# KiCad board 9W_SYSKA.kicad_pcb
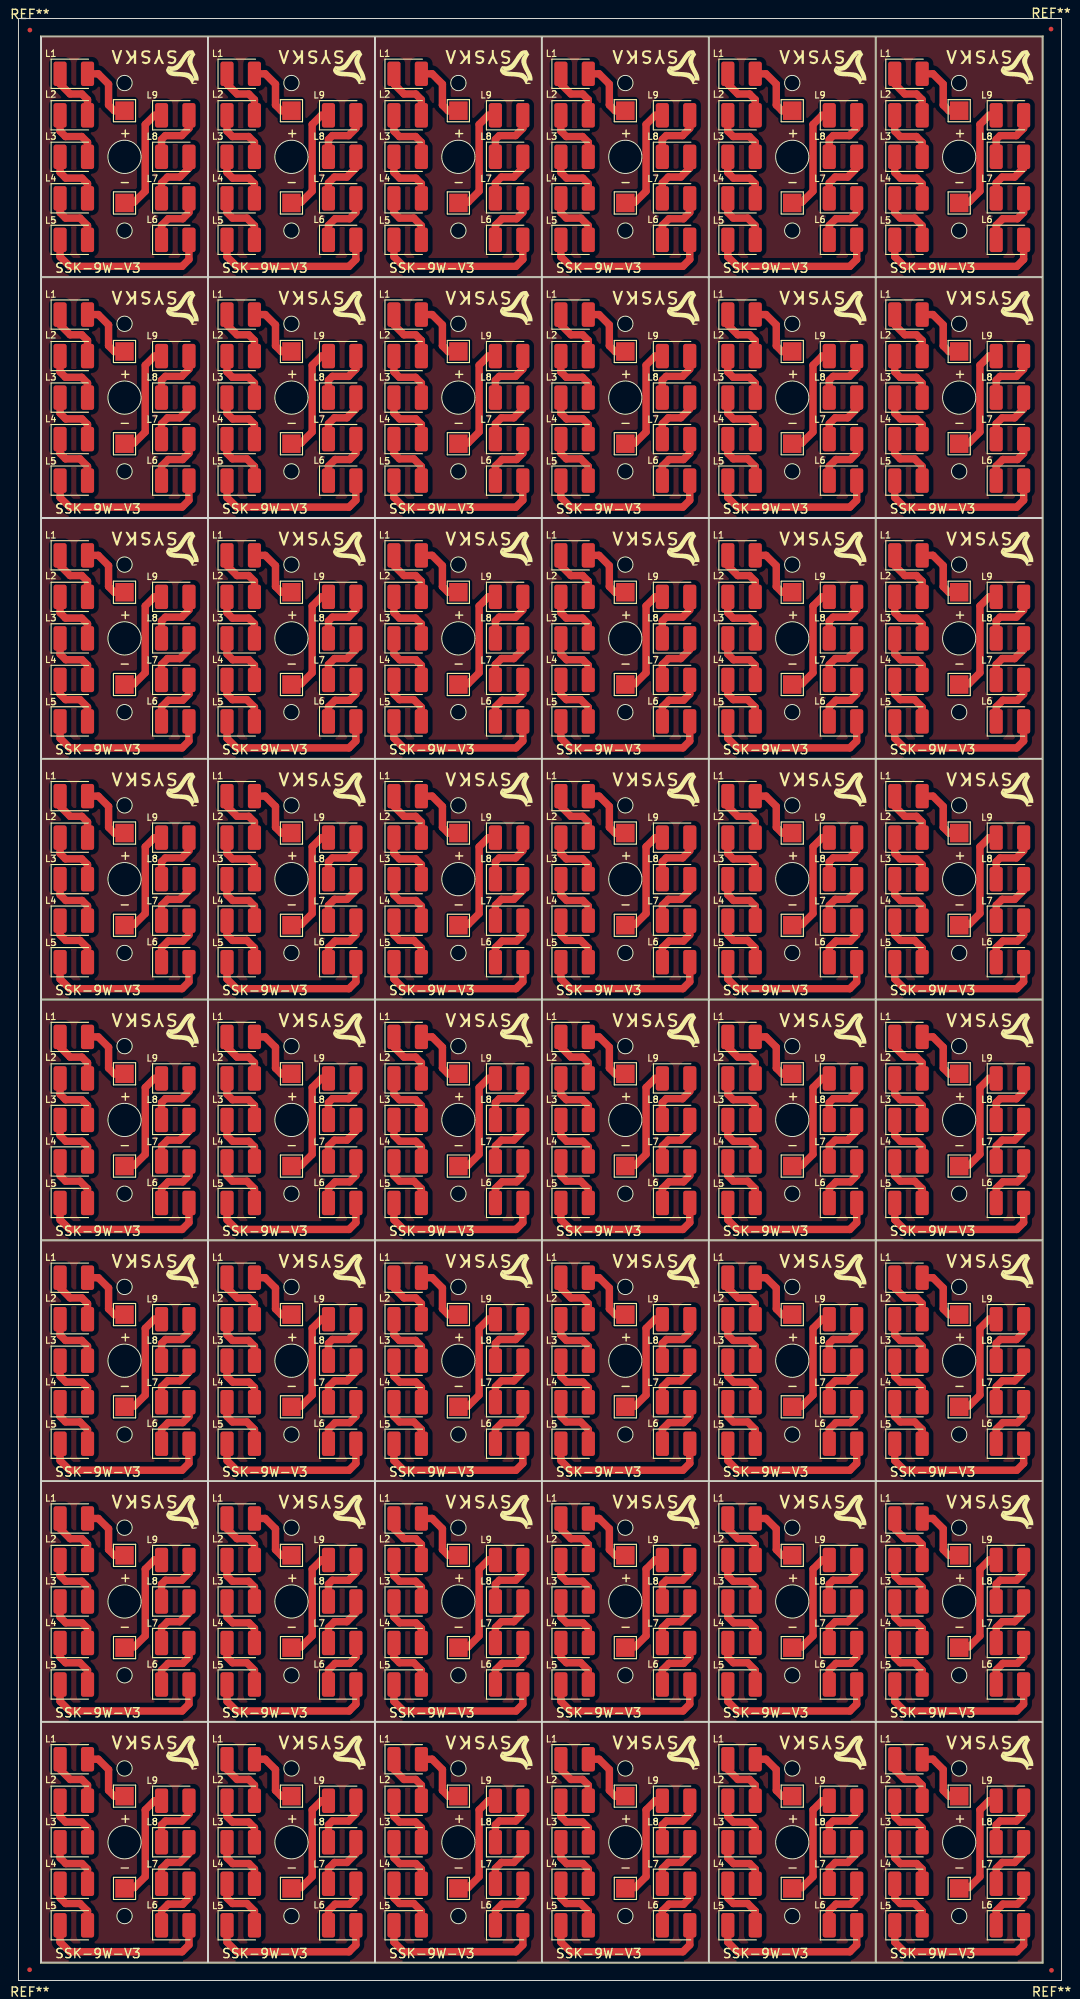
[diagram p0: board, top side]
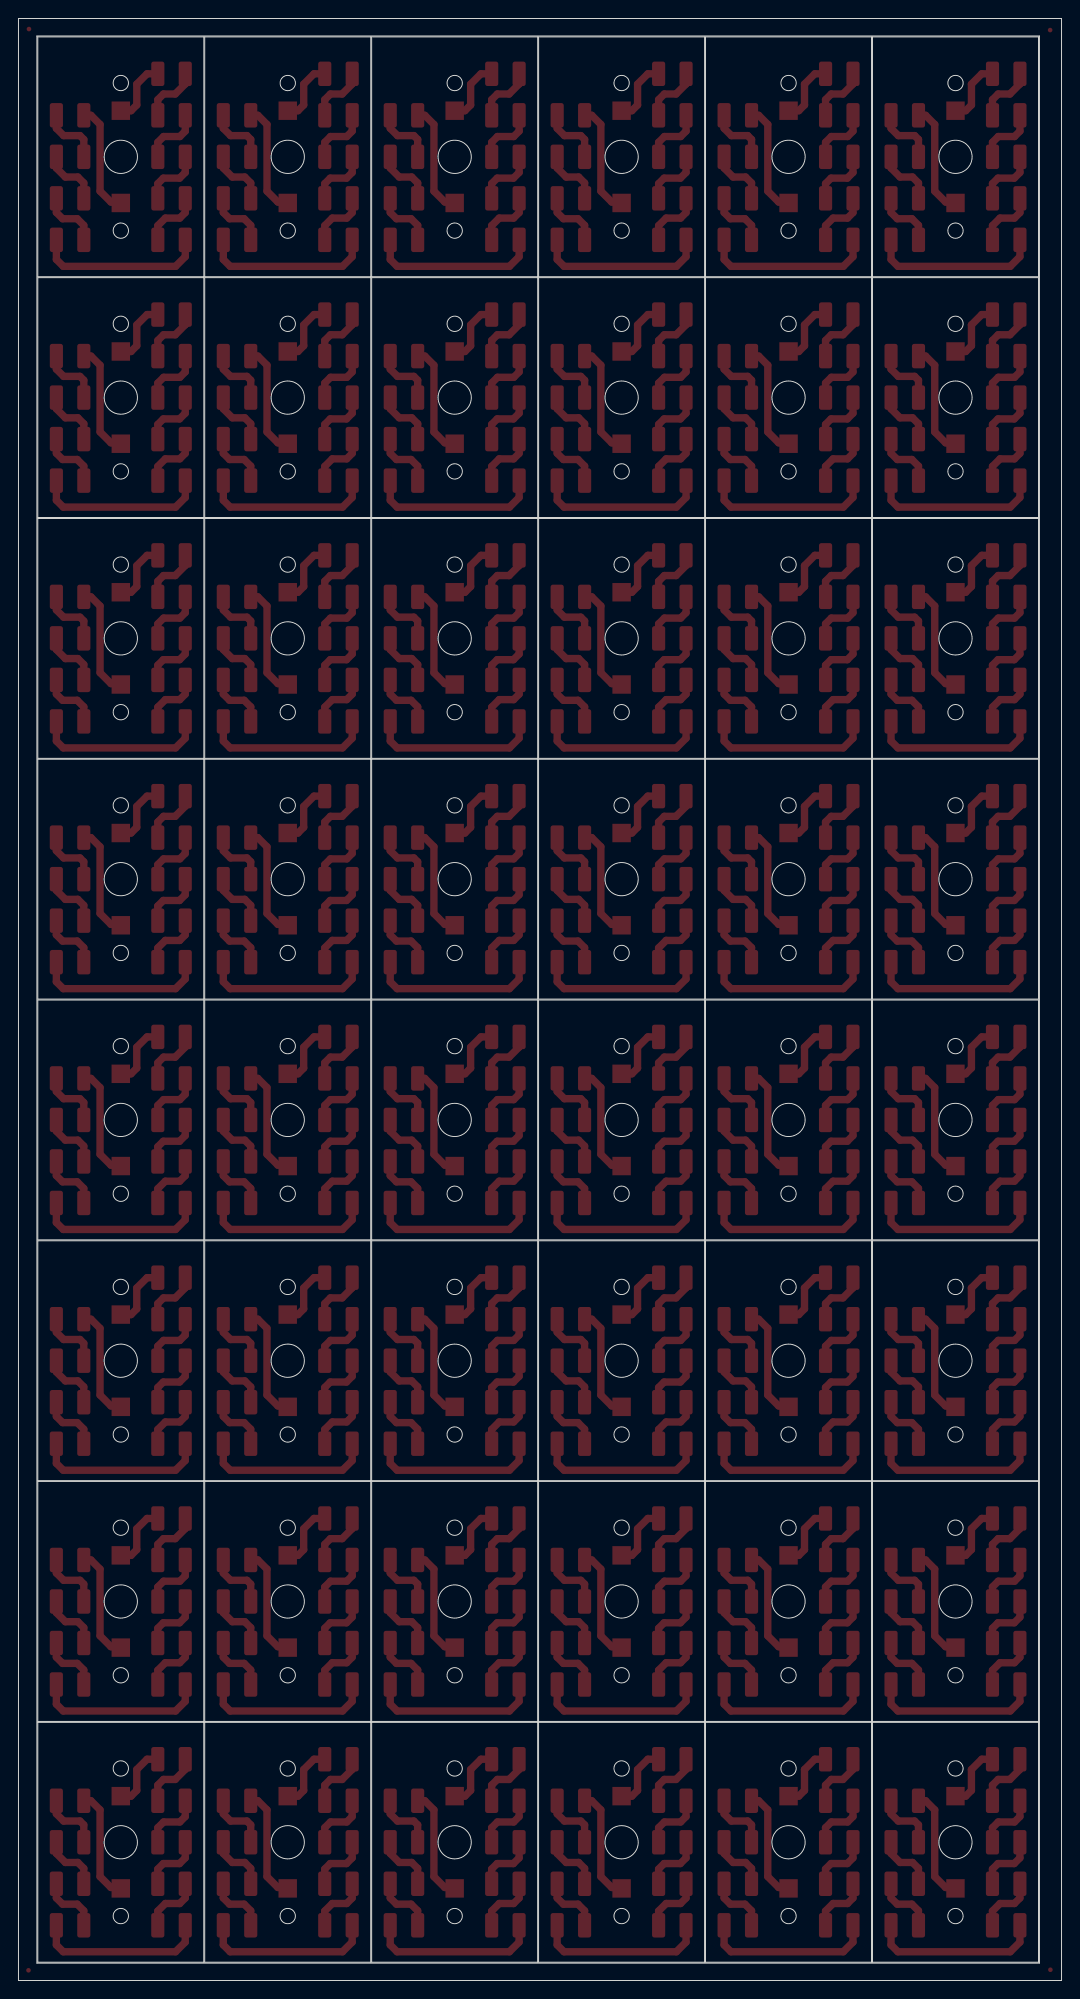
[diagram p1: board, bottom side, seen from below]

Outline 113.1 x 212.69 mm; copper layers: Top, Bottom. Coordinates in mm from the lower left corner of the outline.
Outline path: circle c11.5,205.69 r0.83 ; circle c11.5,197.69 r1.8 ; circle c11.5,189.69 r0.83 ; circle c11.5,179.59 r0.83 ; circle c11.5,171.59 r1.8 ; circle c11.5,163.59 r0.83 ; circle c11.5,153.49 r0.83 ; circle c11.5,145.49 r1.8 ; circle c11.5,137.49 r0.83 ; circle c11.5,127.39 r0.83 ; circle c11.5,119.39 r1.8 ; circle c11.5,111.39 r0.83 ; circle c11.5,101.29 r0.83 ; circle c11.5,93.29 r1.8 ; circle c11.5,85.29 r0.83 ; circle c11.5,75.19 r0.83 ; circle c11.5,67.19 r1.8 ; circle c11.5,59.19 r0.83 ; circle c11.5,49.09 r0.83 ; circle c11.5,41.09 r1.8 ; circle c11.5,33.09 r0.83 ; circle c11.5,22.99 r0.83 ; circle c11.5,14.99 r1.8 ; circle c11.5,6.99 r0.83 ; circle c29.6,205.69 r0.83 ; circle c29.6,197.69 r1.8 ; circle c29.6,189.69 r0.83 ; circle c29.6,179.59 r0.83 ; circle c29.6,171.59 r1.8 ; circle c29.6,163.59 r0.83 ; circle c29.6,153.49 r0.83 ; circle c29.6,145.49 r1.8 ; circle c29.6,137.49 r0.83 ; circle c29.6,127.39 r0.83 ; circle c29.6,119.39 r1.8 ; circle c29.6,111.39 r0.83 ; circle c29.6,101.29 r0.83 ; circle c29.6,93.29 r1.8 ; circle c29.6,85.29 r0.83 ; circle c29.6,75.19 r0.83 ; circle c29.6,67.19 r1.8 ; circle c29.6,59.19 r0.83 ; circle c29.6,49.09 r0.83 ; circle c29.6,41.09 r1.8 ; circle c29.6,33.09 r0.83 ; circle c29.6,22.99 r0.83 ; circle c29.6,14.99 r1.8 ; circle c29.6,6.99 r0.83 ; circle c47.7,205.69 r0.83 ; circle c47.7,197.69 r1.8 ; circle c47.7,189.69 r0.83 ; circle c47.7,179.59 r0.83 ; circle c47.7,171.59 r1.8 ; circle c47.7,163.59 r0.83 ; circle c47.7,153.49 r0.83 ; circle c47.7,145.49 r1.8 ; circle c47.7,137.49 r0.83 ; circle c47.7,127.39 r0.83 ; circle c47.7,119.39 r1.8 ; circle c47.7,111.39 r0.83 ; circle c47.7,101.29 r0.83 ; circle c47.7,93.29 r1.8 ; circle c47.7,85.29 r0.83 ; circle c47.7,75.19 r0.83 ; circle c47.7,67.19 r1.8 ; circle c47.7,59.19 r0.83 ; circle c47.7,49.09 r0.83 ; circle c47.7,41.09 r1.8 ; circle c47.7,33.09 r0.83 ; circle c47.7,22.99 r0.83 ; circle c47.7,14.99 r1.8 ; circle c47.7,6.99 r0.83 ; circle c65.8,205.69 r0.83 ; circle c65.8,197.69 r1.8 ; circle c65.8,189.69 r0.83 ; circle c65.8,179.59 r0.83 ; circle c65.8,171.59 r1.8 ; circle c65.8,163.59 r0.83 ; circle c65.8,153.49 r0.83 ; circle c65.8,145.49 r1.8 ; circle c65.8,137.49 r0.83 ; circle c65.8,127.39 r0.83 ; circle c65.8,119.39 r1.8 ; circle c65.8,111.39 r0.83 ; circle c65.8,101.29 r0.83 ; circle c65.8,93.29 r1.8 ; circle c65.8,85.29 r0.83 ; circle c65.8,75.19 r0.83 ; circle c65.8,67.19 r1.8 ; circle c65.8,59.19 r0.83 ; circle c65.8,49.09 r0.83 ; circle c65.8,41.09 r1.8 ; circle c65.8,33.09 r0.83 ; circle c65.8,22.99 r0.83 ; circle c65.8,14.99 r1.8 ; circle c65.8,6.99 r0.83 ; circle c83.9,205.69 r0.83 ; circle c83.9,197.69 r1.8 ; circle c83.9,189.69 r0.83 ; circle c83.9,179.59 r0.83 ; circle c83.9,171.59 r1.8 ; circle c83.9,163.59 r0.83 ; circle c83.9,153.49 r0.83 ; circle c83.9,145.49 r1.8 ; circle c83.9,137.49 r0.83 ; circle c83.9,127.39 r0.83 ; circle c83.9,119.39 r1.8 ; circle c83.9,111.39 r0.83 ; circle c83.9,101.29 r0.83 ; circle c83.9,93.29 r1.8 ; circle c83.9,85.29 r0.83 ; circle c83.9,75.19 r0.83 ; circle c83.9,67.19 r1.8 ; circle c83.9,59.19 r0.83 ; circle c83.9,49.09 r0.83 ; circle c83.9,41.09 r1.8 ; circle c83.9,33.09 r0.83 ; circle c83.9,22.99 r0.83 ; circle c83.9,14.99 r1.8 ; circle c83.9,6.99 r0.83 ; circle c102,205.69 r0.83 ; circle c102,197.69 r1.8 ; circle c102,189.69 r0.83 ; circle c102,179.59 r0.83 ; circle c102,171.59 r1.8 ; circle c102,163.59 r0.83 ; circle c102,153.49 r0.83 ; circle c102,145.49 r1.8 ; circle c102,137.49 r0.83 ; circle c102,127.39 r0.83 ; circle c102,119.39 r1.8 ; circle c102,111.39 r0.83 ; circle c102,101.29 r0.83 ; circle c102,93.29 r1.8 ; circle c102,85.29 r0.83 ; circle c102,75.19 r0.83 ; circle c102,67.19 r1.8 ; circle c102,59.19 r0.83 ; circle c102,49.09 r0.83 ; circle c102,41.09 r1.8 ; circle c102,33.09 r0.83 ; circle c102,22.99 r0.83 ; circle c102,14.99 r1.8 ; circle c102,6.99 r0.83 ; 0,0 0,212.69 113.1,212.69 113.1,0 0,0 ; 2.4,1.89 2.4,210.79 111.1,210.79 111.1,1.89 2.4,1.89 ; 2.5,210.69 2.5,184.69 20.5,184.69 20.5,210.69 2.5,210.69 ; 2.5,184.59 2.5,158.59 20.5,158.59 20.5,184.59 2.5,184.59 ; 2.5,158.49 2.5,132.49 20.5,132.49 20.5,158.49 2.5,158.49 ; 2.5,132.39 2.5,106.39 20.5,106.39 20.5,132.39 2.5,132.39 ; 2.5,106.29 2.5,80.29 20.5,80.29 20.5,106.29 2.5,106.29 ; 2.5,80.19 2.5,54.19 20.5,54.19 20.5,80.19 2.5,80.19 ; 2.5,54.09 2.5,28.09 20.5,28.09 20.5,54.09 2.5,54.09 ; 2.5,27.99 2.5,1.99 20.5,1.99 20.5,27.99 2.5,27.99 ; 20.6,210.69 20.6,184.69 38.6,184.69 38.6,210.69 20.6,210.69 ; 20.6,184.59 20.6,158.59 38.6,158.59 38.6,184.59 20.6,184.59 ; 20.6,158.49 20.6,132.49 38.6,132.49 38.6,158.49 20.6,158.49 ; 20.6,132.39 20.6,106.39 38.6,106.39 38.6,132.39 20.6,132.39 ; 20.6,106.29 20.6,80.29 38.6,80.29 38.6,106.29 20.6,106.29 ; 20.6,80.19 20.6,54.19 38.6,54.19 38.6,80.19 20.6,80.19 ; 20.6,54.09 20.6,28.09 38.6,28.09 38.6,54.09 20.6,54.09 ; 20.6,27.99 20.6,1.99 38.6,1.99 38.6,27.99 20.6,27.99 ; 38.7,210.69 38.7,184.69 56.7,184.69 56.7,210.69 38.7,210.69 ; 38.7,184.59 38.7,158.59 56.7,158.59 56.7,184.59 38.7,184.59 ; 38.7,158.49 38.7,132.49 56.7,132.49 56.7,158.49 38.7,158.49 ; 38.7,132.39 38.7,106.39 56.7,106.39 56.7,132.39 38.7,132.39 ; 38.7,106.29 38.7,80.29 56.7,80.29 56.7,106.29 38.7,106.29 ; 38.7,80.19 38.7,54.19 56.7,54.19 56.7,80.19 38.7,80.19 ; 38.7,54.09 38.7,28.09 56.7,28.09 56.7,54.09 38.7,54.09 ; 38.7,27.99 38.7,1.99 56.7,1.99 56.7,27.99 38.7,27.99 ; 56.8,210.69 56.8,184.69 74.8,184.69 74.8,210.69 56.8,210.69 ; 56.8,184.59 56.8,158.59 74.8,158.59 74.8,184.59 56.8,184.59 ; 56.8,158.49 56.8,132.49 74.8,132.49 74.8,158.49 56.8,158.49 ; 56.8,132.39 56.8,106.39 74.8,106.39 74.8,132.39 56.8,132.39 ; 56.8,106.29 56.8,80.29 74.8,80.29 74.8,106.29 56.8,106.29 ; 56.8,80.19 56.8,54.19 74.8,54.19 74.8,80.19 56.8,80.19 ; 56.8,54.09 56.8,28.09 74.8,28.09 74.8,54.09 56.8,54.09 ; 56.8,27.99 56.8,1.99 74.8,1.99 74.8,27.99 56.8,27.99 ; 74.9,210.69 74.9,184.69 92.9,184.69 92.9,210.69 74.9,210.69 ; 74.9,184.59 74.9,158.59 92.9,158.59 92.9,184.59 74.9,184.59 ; 74.9,158.49 74.9,132.49 92.9,132.49 92.9,158.49 74.9,158.49 ; 74.9,132.39 74.9,106.39 92.9,106.39 92.9,132.39 74.9,132.39 ; 74.9,106.29 74.9,80.29 92.9,80.29 92.9,106.29 74.9,106.29 ; 74.9,80.19 74.9,54.19 92.9,54.19 92.9,80.19 74.9,80.19 ; 74.9,54.09 74.9,28.09 92.9,28.09 92.9,54.09 74.9,54.09 ; 74.9,27.99 74.9,1.99 92.9,1.99 92.9,27.99 74.9,27.99 ; 93,210.69 93,184.69 111,184.69 111,210.69 93,210.69 ; 93,184.59 93,158.59 111,158.59 111,184.59 93,184.59 ; 93,158.49 93,132.49 111,132.49 111,158.49 93,158.49 ; 93,132.39 93,106.39 111,106.39 111,132.39 93,132.39 ; 93,106.29 93,80.29 111,80.29 111,106.29 93,106.29 ; 93,80.19 93,54.19 111,54.19 111,80.19 93,80.19 ; 93,54.09 93,28.09 111,28.09 111,54.09 93,54.09 ; 93,27.99 93,1.99 111,1.99 111,27.99 93,27.99
Stack: Top 0.035mm / dielectric 0.91mm FR4 er 4.5 / Bottom 0.035mm

## Placement (name value [footprint] x y rotation side)
G***  LOGO  [syska]  51 181.27 180 top
G***#2  LOGO  [syska]  105.3 155.17 180 top
G***#3  LOGO  [syska]  69.1 76.87 180 top
G***#4  LOGO  [syska]  14.8 50.77 180 top
G***#5  LOGO  [syska]  32.9 181.27 180 top
G***#6  LOGO  [syska]  105.3 207.37 180 top
G***#7  LOGO  [syska]  51 129.07 180 top
G***#8  LOGO  [syska]  14.8 181.27 180 top
G***#9  LOGO  [syska]  32.9 24.67 180 top
G***#10  LOGO  [syska]  105.3 24.67 180 top
G***#11  LOGO  [syska]  32.9 207.37 180 top
G***#12  LOGO  [syska]  51 76.87 180 top
G***#13  LOGO  [syska]  87.2 155.17 180 top
G***#14  LOGO  [syska]  14.8 76.87 180 top
G***#15  LOGO  [syska]  51 24.67 180 top
G***#16  LOGO  [syska]  69.1 102.97 180 top
G***#17  LOGO  [syska]  51 207.37 180 top
G***#18  LOGO  [syska]  14.8 24.67 180 top
G***#19  LOGO  [syska]  105.3 76.87 180 top
G***#20  LOGO  [syska]  87.2 50.77 180 top
G***#21  LOGO  [syska]  32.9 129.07 180 top
G***#22  LOGO  [syska]  69.1 129.07 180 top
G***#23  LOGO  [syska]  32.9 76.87 180 top
G***#24  LOGO  [syska]  69.1 207.37 180 top
G***#25  LOGO  [syska]  69.1 155.17 180 top
G***#26  LOGO  [syska]  87.2 207.37 180 top
G***#27  LOGO  [syska]  87.2 24.67 180 top
G***#28  LOGO  [syska]  14.8 207.37 180 top
G***#29  LOGO  [syska]  14.8 102.97 180 top
G***#30  LOGO  [syska]  32.9 155.17 180 top
G***#31  LOGO  [syska]  105.3 102.97 180 top
G***#32  LOGO  [syska]  69.1 50.77 180 top
G***#33  LOGO  [syska]  87.2 181.27 180 top
G***#34  LOGO  [syska]  105.3 181.27 180 top
G***#35  LOGO  [syska]  14.8 129.07 180 top
G***#36  LOGO  [syska]  14.8 155.17 180 top
G***#37  LOGO  [syska]  87.2 129.07 180 top
G***#38  LOGO  [syska]  105.3 50.77 180 top
G***#39  LOGO  [syska]  69.1 24.67 180 top
G***#40  LOGO  [syska]  32.9 102.97 180 top
G***#41  LOGO  [syska]  51 102.97 180 top
G***#42  LOGO  [syska]  51 50.77 180 top
G***#43  LOGO  [syska]  51 155.17 180 top
G***#44  LOGO  [syska]  87.2 76.87 180 top
G***#45  LOGO  [syska]  32.9 50.77 180 top
G***#46  LOGO  [syska]  87.2 102.97 180 top
G***#47  LOGO  [syska]  69.1 181.27 180 top
G***#48  LOGO  [syska]  105.3 129.07 180 top
J1  Conn_01x01_Pin  [TestPoint_Pad_2.0x2.0mm]  29.6 124.39 0 top
J1#2  Conn_01x01_Pin  [TestPoint_Pad_2.0x2.0mm]  83.9 46.09 0 top
J1#3  Conn_01x01_Pin  [TestPoint_Pad_2.0x2.0mm]  47.7 150.49 0 top
J1#4  Conn_01x01_Pin  [TestPoint_Pad_2.0x2.0mm]  83.9 176.59 0 top
J1#5  Conn_01x01_Pin  [TestPoint_Pad_2.0x2.0mm]  47.7 46.09 0 top
J1#6  Conn_01x01_Pin  [TestPoint_Pad_2.0x2.0mm]  102 46.09 0 top
J1#7  Conn_01x01_Pin  [TestPoint_Pad_2.0x2.0mm]  29.6 19.99 0 top
J1#8  Conn_01x01_Pin  [TestPoint_Pad_2.0x2.0mm]  47.7 124.39 0 top
J1#9  Conn_01x01_Pin  [TestPoint_Pad_2.0x2.0mm]  65.8 124.39 0 top
J1#10  Conn_01x01_Pin  [TestPoint_Pad_2.0x2.0mm]  102 124.39 0 top
J1#11  Conn_01x01_Pin  [TestPoint_Pad_2.0x2.0mm]  11.5 98.29 0 top
J1#12  Conn_01x01_Pin  [TestPoint_Pad_2.0x2.0mm]  83.9 72.19 0 top
J1#13  Conn_01x01_Pin  [TestPoint_Pad_2.0x2.0mm]  47.7 19.99 0 top
J1#14  Conn_01x01_Pin  [TestPoint_Pad_2.0x2.0mm]  65.8 150.49 0 top
J1#15  Conn_01x01_Pin  [TestPoint_Pad_2.0x2.0mm]  65.8 202.69 0 top
J1#16  Conn_01x01_Pin  [TestPoint_Pad_2.0x2.0mm]  65.8 72.19 0 top
J1#17  Conn_01x01_Pin  [TestPoint_Pad_2.0x2.0mm]  11.5 19.99 0 top
J1#18  Conn_01x01_Pin  [TestPoint_Pad_2.0x2.0mm]  102 19.99 0 top
J1#19  Conn_01x01_Pin  [TestPoint_Pad_2.0x2.0mm]  102 150.49 0 top
J1#20  Conn_01x01_Pin  [TestPoint_Pad_2.0x2.0mm]  47.7 202.69 0 top
J1#21  Conn_01x01_Pin  [TestPoint_Pad_2.0x2.0mm]  102 72.19 0 top
J1#22  Conn_01x01_Pin  [TestPoint_Pad_2.0x2.0mm]  29.6 150.49 0 top
J1#23  Conn_01x01_Pin  [TestPoint_Pad_2.0x2.0mm]  83.9 150.49 0 top
J1#24  Conn_01x01_Pin  [TestPoint_Pad_2.0x2.0mm]  29.6 72.19 0 top
J1#25  Conn_01x01_Pin  [TestPoint_Pad_2.0x2.0mm]  102 202.69 0 top
J1#26  Conn_01x01_Pin  [TestPoint_Pad_2.0x2.0mm]  83.9 98.29 0 top
J1#27  Conn_01x01_Pin  [TestPoint_Pad_2.0x2.0mm]  83.9 19.99 0 top
J1#28  Conn_01x01_Pin  [TestPoint_Pad_2.0x2.0mm]  102 98.29 0 top
J1#29  Conn_01x01_Pin  [TestPoint_Pad_2.0x2.0mm]  29.6 176.59 0 top
J1#30  Conn_01x01_Pin  [TestPoint_Pad_2.0x2.0mm]  29.6 202.69 0 top
J1#31  Conn_01x01_Pin  [TestPoint_Pad_2.0x2.0mm]  47.7 98.29 0 top
J1#32  Conn_01x01_Pin  [TestPoint_Pad_2.0x2.0mm]  11.5 176.59 0 top
J1#33  Conn_01x01_Pin  [TestPoint_Pad_2.0x2.0mm]  65.8 19.99 0 top
J1#34  Conn_01x01_Pin  [TestPoint_Pad_2.0x2.0mm]  29.6 98.29 0 top
J1#35  Conn_01x01_Pin  [TestPoint_Pad_2.0x2.0mm]  11.5 72.19 0 top
J1#36  Conn_01x01_Pin  [TestPoint_Pad_2.0x2.0mm]  47.7 72.19 0 top
J1#37  Conn_01x01_Pin  [TestPoint_Pad_2.0x2.0mm]  11.5 150.49 0 top
J1#38  Conn_01x01_Pin  [TestPoint_Pad_2.0x2.0mm]  65.8 98.29 0 top
J1#39  Conn_01x01_Pin  [TestPoint_Pad_2.0x2.0mm]  29.6 46.09 0 top
J1#40  Conn_01x01_Pin  [TestPoint_Pad_2.0x2.0mm]  83.9 124.39 0 top
J1#41  Conn_01x01_Pin  [TestPoint_Pad_2.0x2.0mm]  102 176.59 0 top
J1#42  Conn_01x01_Pin  [TestPoint_Pad_2.0x2.0mm]  11.5 202.69 0 top
J1#43  Conn_01x01_Pin  [TestPoint_Pad_2.0x2.0mm]  65.8 176.59 0 top
J1#44  Conn_01x01_Pin  [TestPoint_Pad_2.0x2.0mm]  83.9 202.69 0 top
J1#45  Conn_01x01_Pin  [TestPoint_Pad_2.0x2.0mm]  65.8 46.09 0 top
J1#46  Conn_01x01_Pin  [TestPoint_Pad_2.0x2.0mm]  47.7 176.59 0 top
J1#47  Conn_01x01_Pin  [TestPoint_Pad_2.0x2.0mm]  11.5 124.39 0 top
J1#48  Conn_01x01_Pin  [TestPoint_Pad_2.0x2.0mm]  11.5 46.09 0 top
J2  Conn_01x01_Pin  [TestPoint_Pad_2.0x2.0mm]  11.5 166.59 0 top
J2#2  Conn_01x01_Pin  [TestPoint_Pad_2.0x2.0mm]  11.5 140.49 0 top
J2#3  Conn_01x01_Pin  [TestPoint_Pad_2.0x2.0mm]  47.7 192.69 0 top
J2#4  Conn_01x01_Pin  [TestPoint_Pad_2.0x2.0mm]  65.8 140.49 0 top
J2#5  Conn_01x01_Pin  [TestPoint_Pad_2.0x2.0mm]  29.6 114.39 0 top
J2#6  Conn_01x01_Pin  [TestPoint_Pad_2.0x2.0mm]  102 192.69 0 top
J2#7  Conn_01x01_Pin  [TestPoint_Pad_2.0x2.0mm]  102 140.49 0 top
J2#8  Conn_01x01_Pin  [TestPoint_Pad_2.0x2.0mm]  102 9.99 0 top
J2#9  Conn_01x01_Pin  [TestPoint_Pad_2.0x2.0mm]  11.5 192.69 0 top
J2#10  Conn_01x01_Pin  [TestPoint_Pad_2.0x2.0mm]  65.8 192.69 0 top
J2#11  Conn_01x01_Pin  [TestPoint_Pad_2.0x2.0mm]  47.7 166.59 0 top
J2#12  Conn_01x01_Pin  [TestPoint_Pad_2.0x2.0mm]  102 114.39 0 top
J2#13  Conn_01x01_Pin  [TestPoint_Pad_2.0x2.0mm]  29.6 9.99 0 top
J2#14  Conn_01x01_Pin  [TestPoint_Pad_2.0x2.0mm]  83.9 140.49 0 top
J2#15  Conn_01x01_Pin  [TestPoint_Pad_2.0x2.0mm]  83.9 192.69 0 top
J2#16  Conn_01x01_Pin  [TestPoint_Pad_2.0x2.0mm]  29.6 88.29 0 top
J2#17  Conn_01x01_Pin  [TestPoint_Pad_2.0x2.0mm]  83.9 36.09 0 top
J2#18  Conn_01x01_Pin  [TestPoint_Pad_2.0x2.0mm]  83.9 62.19 0 top
J2#19  Conn_01x01_Pin  [TestPoint_Pad_2.0x2.0mm]  65.8 166.59 0 top
J2#20  Conn_01x01_Pin  [TestPoint_Pad_2.0x2.0mm]  47.7 36.09 0 top
J2#21  Conn_01x01_Pin  [TestPoint_Pad_2.0x2.0mm]  65.8 114.39 0 top
J2#22  Conn_01x01_Pin  [TestPoint_Pad_2.0x2.0mm]  29.6 62.19 0 top
J2#23  Conn_01x01_Pin  [TestPoint_Pad_2.0x2.0mm]  65.8 36.09 0 top
J2#24  Conn_01x01_Pin  [TestPoint_Pad_2.0x2.0mm]  29.6 140.49 0 top
J2#25  Conn_01x01_Pin  [TestPoint_Pad_2.0x2.0mm]  83.9 88.29 0 top
J2#26  Conn_01x01_Pin  [TestPoint_Pad_2.0x2.0mm]  65.8 9.99 0 top
J2#27  Conn_01x01_Pin  [TestPoint_Pad_2.0x2.0mm]  29.6 166.59 0 top
J2#28  Conn_01x01_Pin  [TestPoint_Pad_2.0x2.0mm]  47.7 114.39 0 top
J2#29  Conn_01x01_Pin  [TestPoint_Pad_2.0x2.0mm]  102 166.59 0 top
J2#30  Conn_01x01_Pin  [TestPoint_Pad_2.0x2.0mm]  102 88.29 0 top
J2#31  Conn_01x01_Pin  [TestPoint_Pad_2.0x2.0mm]  65.8 62.19 0 top
J2#32  Conn_01x01_Pin  [TestPoint_Pad_2.0x2.0mm]  11.5 9.99 0 top
J2#33  Conn_01x01_Pin  [TestPoint_Pad_2.0x2.0mm]  11.5 88.29 0 top
J2#34  Conn_01x01_Pin  [TestPoint_Pad_2.0x2.0mm]  83.9 114.39 0 top
J2#35  Conn_01x01_Pin  [TestPoint_Pad_2.0x2.0mm]  11.5 62.19 0 top
J2#36  Conn_01x01_Pin  [TestPoint_Pad_2.0x2.0mm]  83.9 166.59 0 top
J2#37  Conn_01x01_Pin  [TestPoint_Pad_2.0x2.0mm]  83.9 9.99 0 top
J2#38  Conn_01x01_Pin  [TestPoint_Pad_2.0x2.0mm]  29.6 36.09 0 top
J2#39  Conn_01x01_Pin  [TestPoint_Pad_2.0x2.0mm]  47.7 62.19 0 top
J2#40  Conn_01x01_Pin  [TestPoint_Pad_2.0x2.0mm]  11.5 114.39 0 top
J2#41  Conn_01x01_Pin  [TestPoint_Pad_2.0x2.0mm]  47.7 140.49 0 top
J2#42  Conn_01x01_Pin  [TestPoint_Pad_2.0x2.0mm]  11.5 36.09 0 top
J2#43  Conn_01x01_Pin  [TestPoint_Pad_2.0x2.0mm]  29.6 192.69 0 top
J2#44  Conn_01x01_Pin  [TestPoint_Pad_2.0x2.0mm]  65.8 88.29 0 top
J2#45  Conn_01x01_Pin  [TestPoint_Pad_2.0x2.0mm]  47.7 9.99 0 top
J2#46  Conn_01x01_Pin  [TestPoint_Pad_2.0x2.0mm]  102 36.09 0 top
J2#47  Conn_01x01_Pin  [TestPoint_Pad_2.0x2.0mm]  47.7 88.29 0 top
J2#48  Conn_01x01_Pin  [TestPoint_Pad_2.0x2.0mm]  102 62.19 0 top
L1  LED  [LED_1210_3225Metric_Pad1.42x2.65mm_HandSolder]  78.4 180.59 0 top
L1#2  LED  [LED_1210_3225Metric_Pad1.42x2.65mm_HandSolder]  24.1 180.59 0 top
L1#3  LED  [LED_1210_3225Metric_Pad1.42x2.65mm_HandSolder]  78.4 206.69 0 top
L1#4  LED  [LED_1210_3225Metric_Pad1.42x2.65mm_HandSolder]  24.1 23.99 0 top
L1#5  LED  [LED_1210_3225Metric_Pad1.42x2.65mm_HandSolder]  42.2 180.59 0 top
L1#6  LED  [LED_1210_3225Metric_Pad1.42x2.65mm_HandSolder]  60.3 206.69 0 top
L1#7  LED  [LED_1210_3225Metric_Pad1.42x2.65mm_HandSolder]  42.2 23.99 0 top
L1#8  LED  [LED_1210_3225Metric_Pad1.42x2.65mm_HandSolder]  42.2 154.49 0 top
L1#9  LED  [LED_1210_3225Metric_Pad1.42x2.65mm_HandSolder]  96.5 23.99 0 top
L1#10  LED  [LED_1210_3225Metric_Pad1.42x2.65mm_HandSolder]  6 23.99 0 top
L1#11  LED  [LED_1210_3225Metric_Pad1.42x2.65mm_HandSolder]  96.5 76.19 0 top
L1#12  LED  [LED_1210_3225Metric_Pad1.42x2.65mm_HandSolder]  42.2 128.39 0 top
L1#13  LED  [LED_1210_3225Metric_Pad1.42x2.65mm_HandSolder]  24.1 102.29 0 top
L1#14  LED  [LED_1210_3225Metric_Pad1.42x2.65mm_HandSolder]  42.2 206.69 0 top
L1#15  LED  [LED_1210_3225Metric_Pad1.42x2.65mm_HandSolder]  24.1 206.69 0 top
L1#16  LED  [LED_1210_3225Metric_Pad1.42x2.65mm_HandSolder]  96.5 50.09 0 top
L1#17  LED  [LED_1210_3225Metric_Pad1.42x2.65mm_HandSolder]  78.4 154.49 0 top
L1#18  LED  [LED_1210_3225Metric_Pad1.42x2.65mm_HandSolder]  60.3 154.49 0 top
L1#19  LED  [LED_1210_3225Metric_Pad1.42x2.65mm_HandSolder]  96.5 180.59 0 top
L1#20  LED  [LED_1210_3225Metric_Pad1.42x2.65mm_HandSolder]  60.3 102.29 0 top
L1#21  LED  [LED_1210_3225Metric_Pad1.42x2.65mm_HandSolder]  24.1 76.19 0 top
L1#22  LED  [LED_1210_3225Metric_Pad1.42x2.65mm_HandSolder]  78.4 102.29 0 top
L1#23  LED  [LED_1210_3225Metric_Pad1.42x2.65mm_HandSolder]  96.5 102.29 0 top
L1#24  LED  [LED_1210_3225Metric_Pad1.42x2.65mm_HandSolder]  78.4 23.99 0 top
L1#25  LED  [LED_1210_3225Metric_Pad1.42x2.65mm_HandSolder]  42.2 76.19 0 top
L1#26  LED  [LED_1210_3225Metric_Pad1.42x2.65mm_HandSolder]  6 154.49 0 top
L1#27  LED  [LED_1210_3225Metric_Pad1.42x2.65mm_HandSolder]  24.1 128.39 0 top
L1#28  LED  [LED_1210_3225Metric_Pad1.42x2.65mm_HandSolder]  96.5 154.49 0 top
L1#29  LED  [LED_1210_3225Metric_Pad1.42x2.65mm_HandSolder]  42.2 50.09 0 top
L1#30  LED  [LED_1210_3225Metric_Pad1.42x2.65mm_HandSolder]  60.3 23.99 0 top
L1#31  LED  [LED_1210_3225Metric_Pad1.42x2.65mm_HandSolder]  78.4 76.19 0 top
L1#32  LED  [LED_1210_3225Metric_Pad1.42x2.65mm_HandSolder]  60.3 180.59 0 top
L1#33  LED  [LED_1210_3225Metric_Pad1.42x2.65mm_HandSolder]  6 206.69 0 top
L1#34  LED  [LED_1210_3225Metric_Pad1.42x2.65mm_HandSolder]  6 128.39 0 top
L1#35  LED  [LED_1210_3225Metric_Pad1.42x2.65mm_HandSolder]  6 76.19 0 top
L1#36  LED  [LED_1210_3225Metric_Pad1.42x2.65mm_HandSolder]  24.1 154.49 0 top
L1#37  LED  [LED_1210_3225Metric_Pad1.42x2.65mm_HandSolder]  78.4 50.09 0 top
L1#38  LED  [LED_1210_3225Metric_Pad1.42x2.65mm_HandSolder]  96.5 206.69 0 top
L1#39  LED  [LED_1210_3225Metric_Pad1.42x2.65mm_HandSolder]  60.3 76.19 0 top
L1#40  LED  [LED_1210_3225Metric_Pad1.42x2.65mm_HandSolder]  60.3 128.39 0 top
L1#41  LED  [LED_1210_3225Metric_Pad1.42x2.65mm_HandSolder]  42.2 102.29 0 top
L1#42  LED  [LED_1210_3225Metric_Pad1.42x2.65mm_HandSolder]  6 50.09 0 top
L1#43  LED  [LED_1210_3225Metric_Pad1.42x2.65mm_HandSolder]  6 102.29 0 top
L1#44  LED  [LED_1210_3225Metric_Pad1.42x2.65mm_HandSolder]  78.4 128.39 0 top
L1#45  LED  [LED_1210_3225Metric_Pad1.42x2.65mm_HandSolder]  96.5 128.39 0 top
L1#46  LED  [LED_1210_3225Metric_Pad1.42x2.65mm_HandSolder]  24.1 50.09 0 top
L1#47  LED  [LED_1210_3225Metric_Pad1.42x2.65mm_HandSolder]  60.3 50.09 0 top
L1#48  LED  [LED_1210_3225Metric_Pad1.42x2.65mm_HandSolder]  6 180.59 0 top
L2  LED  [LED_1210_3225Metric_Pad1.42x2.65mm_HandSolder]  42.2 97.79 0 top
L2#2  LED  [LED_1210_3225Metric_Pad1.42x2.65mm_HandSolder]  42.2 45.59 0 top
L2#3  LED  [LED_1210_3225Metric_Pad1.42x2.65mm_HandSolder]  60.3 97.79 0 top
L2#4  LED  [LED_1210_3225Metric_Pad1.42x2.65mm_HandSolder]  60.3 202.19 0 top
L2#5  LED  [LED_1210_3225Metric_Pad1.42x2.65mm_HandSolder]  60.3 176.09 0 top
L2#6  LED  [LED_1210_3225Metric_Pad1.42x2.65mm_HandSolder]  24.1 176.09 0 top
L2#7  LED  [LED_1210_3225Metric_Pad1.42x2.65mm_HandSolder]  96.5 45.59 0 top
L2#8  LED  [LED_1210_3225Metric_Pad1.42x2.65mm_HandSolder]  60.3 45.59 0 top
L2#9  LED  [LED_1210_3225Metric_Pad1.42x2.65mm_HandSolder]  6 149.99 0 top
L2#10  LED  [LED_1210_3225Metric_Pad1.42x2.65mm_HandSolder]  24.1 19.49 0 top
L2#11  LED  [LED_1210_3225Metric_Pad1.42x2.65mm_HandSolder]  78.4 97.79 0 top
L2#12  LED  [LED_1210_3225Metric_Pad1.42x2.65mm_HandSolder]  24.1 123.89 0 top
L2#13  LED  [LED_1210_3225Metric_Pad1.42x2.65mm_HandSolder]  6 71.69 0 top
L2#14  LED  [LED_1210_3225Metric_Pad1.42x2.65mm_HandSolder]  6 176.09 0 top
L2#15  LED  [LED_1210_3225Metric_Pad1.42x2.65mm_HandSolder]  60.3 71.69 0 top
L2#16  LED  [LED_1210_3225Metric_Pad1.42x2.65mm_HandSolder]  96.5 71.69 0 top
L2#17  LED  [LED_1210_3225Metric_Pad1.42x2.65mm_HandSolder]  78.4 123.89 0 top
L2#18  LED  [LED_1210_3225Metric_Pad1.42x2.65mm_HandSolder]  78.4 71.69 0 top
L2#19  LED  [LED_1210_3225Metric_Pad1.42x2.65mm_HandSolder]  96.5 97.79 0 top
L2#20  LED  [LED_1210_3225Metric_Pad1.42x2.65mm_HandSolder]  6 123.89 0 top
L2#21  LED  [LED_1210_3225Metric_Pad1.42x2.65mm_HandSolder]  96.5 149.99 0 top
L2#22  LED  [LED_1210_3225Metric_Pad1.42x2.65mm_HandSolder]  42.2 123.89 0 top
L2#23  LED  [LED_1210_3225Metric_Pad1.42x2.65mm_HandSolder]  78.4 45.59 0 top
L2#24  LED  [LED_1210_3225Metric_Pad1.42x2.65mm_HandSolder]  24.1 71.69 0 top
L2#25  LED  [LED_1210_3225Metric_Pad1.42x2.65mm_HandSolder]  96.5 123.89 0 top
L2#26  LED  [LED_1210_3225Metric_Pad1.42x2.65mm_HandSolder]  24.1 202.19 0 top
L2#27  LED  [LED_1210_3225Metric_Pad1.42x2.65mm_HandSolder]  78.4 19.49 0 top
L2#28  LED  [LED_1210_3225Metric_Pad1.42x2.65mm_HandSolder]  42.2 176.09 0 top
L2#29  LED  [LED_1210_3225Metric_Pad1.42x2.65mm_HandSolder]  6 97.79 0 top
L2#30  LED  [LED_1210_3225Metric_Pad1.42x2.65mm_HandSolder]  42.2 71.69 0 top
L2#31  LED  [LED_1210_3225Metric_Pad1.42x2.65mm_HandSolder]  78.4 202.19 0 top
L2#32  LED  [LED_1210_3225Metric_Pad1.42x2.65mm_HandSolder]  42.2 149.99 0 top
L2#33  LED  [LED_1210_3225Metric_Pad1.42x2.65mm_HandSolder]  6 19.49 0 top
L2#34  LED  [LED_1210_3225Metric_Pad1.42x2.65mm_HandSolder]  78.4 176.09 0 top
L2#35  LED  [LED_1210_3225Metric_Pad1.42x2.65mm_HandSolder]  96.5 176.09 0 top
L2#36  LED  [LED_1210_3225Metric_Pad1.42x2.65mm_HandSolder]  60.3 123.89 0 top
L2#37  LED  [LED_1210_3225Metric_Pad1.42x2.65mm_HandSolder]  60.3 19.49 0 top
L2#38  LED  [LED_1210_3225Metric_Pad1.42x2.65mm_HandSolder]  24.1 149.99 0 top
L2#39  LED  [LED_1210_3225Metric_Pad1.42x2.65mm_HandSolder]  6 202.19 0 top
L2#40  LED  [LED_1210_3225Metric_Pad1.42x2.65mm_HandSolder]  42.2 19.49 0 top
L2#41  LED  [LED_1210_3225Metric_Pad1.42x2.65mm_HandSolder]  24.1 97.79 0 top
L2#42  LED  [LED_1210_3225Metric_Pad1.42x2.65mm_HandSolder]  6 45.59 0 top
L2#43  LED  [LED_1210_3225Metric_Pad1.42x2.65mm_HandSolder]  24.1 45.59 0 top
L2#44  LED  [LED_1210_3225Metric_Pad1.42x2.65mm_HandSolder]  42.2 202.19 0 top
L2#45  LED  [LED_1210_3225Metric_Pad1.42x2.65mm_HandSolder]  78.4 149.99 0 top
L2#46  LED  [LED_1210_3225Metric_Pad1.42x2.65mm_HandSolder]  96.5 19.49 0 top
L2#47  LED  [LED_1210_3225Metric_Pad1.42x2.65mm_HandSolder]  96.5 202.19 0 top
L2#48  LED  [LED_1210_3225Metric_Pad1.42x2.65mm_HandSolder]  60.3 149.99 0 top
L3  LED  [LED_1210_3225Metric_Pad1.42x2.65mm_HandSolder]  78.4 119.39 0 top
L3#2  LED  [LED_1210_3225Metric_Pad1.42x2.65mm_HandSolder]  60.3 14.99 0 top
L3#3  LED  [LED_1210_3225Metric_Pad1.42x2.65mm_HandSolder]  78.4 197.69 0 top
L3#4  LED  [LED_1210_3225Metric_Pad1.42x2.65mm_HandSolder]  78.4 41.09 0 top
L3#5  LED  [LED_1210_3225Metric_Pad1.42x2.65mm_HandSolder]  6 41.09 0 top
L3#6  LED  [LED_1210_3225Metric_Pad1.42x2.65mm_HandSolder]  60.3 197.69 0 top
L3#7  LED  [LED_1210_3225Metric_Pad1.42x2.65mm_HandSolder]  96.5 197.69 0 top
L3#8  LED  [LED_1210_3225Metric_Pad1.42x2.65mm_HandSolder]  60.3 93.29 0 top
L3#9  LED  [LED_1210_3225Metric_Pad1.42x2.65mm_HandSolder]  6 93.29 0 top
L3#10  LED  [LED_1210_3225Metric_Pad1.42x2.65mm_HandSolder]  42.2 67.19 0 top
L3#11  LED  [LED_1210_3225Metric_Pad1.42x2.65mm_HandSolder]  60.3 171.59 0 top
L3#12  LED  [LED_1210_3225Metric_Pad1.42x2.65mm_HandSolder]  60.3 41.09 0 top
L3#13  LED  [LED_1210_3225Metric_Pad1.42x2.65mm_HandSolder]  24.1 197.69 0 top
L3#14  LED  [LED_1210_3225Metric_Pad1.42x2.65mm_HandSolder]  96.5 171.59 0 top
L3#15  LED  [LED_1210_3225Metric_Pad1.42x2.65mm_HandSolder]  42.2 93.29 0 top
L3#16  LED  [LED_1210_3225Metric_Pad1.42x2.65mm_HandSolder]  42.2 41.09 0 top
L3#17  LED  [LED_1210_3225Metric_Pad1.42x2.65mm_HandSolder]  42.2 171.59 0 top
L3#18  LED  [LED_1210_3225Metric_Pad1.42x2.65mm_HandSolder]  24.1 67.19 0 top
L3#19  LED  [LED_1210_3225Metric_Pad1.42x2.65mm_HandSolder]  78.4 14.99 0 top
L3#20  LED  [LED_1210_3225Metric_Pad1.42x2.65mm_HandSolder]  24.1 41.09 0 top
L3#21  LED  [LED_1210_3225Metric_Pad1.42x2.65mm_HandSolder]  96.5 41.09 0 top
L3#22  LED  [LED_1210_3225Metric_Pad1.42x2.65mm_HandSolder]  96.5 14.99 0 top
L3#23  LED  [LED_1210_3225Metric_Pad1.42x2.65mm_HandSolder]  42.2 119.39 0 top
L3#24  LED  [LED_1210_3225Metric_Pad1.42x2.65mm_HandSolder]  78.4 93.29 0 top
L3#25  LED  [LED_1210_3225Metric_Pad1.42x2.65mm_HandSolder]  42.2 197.69 0 top
L3#26  LED  [LED_1210_3225Metric_Pad1.42x2.65mm_HandSolder]  42.2 14.99 0 top
L3#27  LED  [LED_1210_3225Metric_Pad1.42x2.65mm_HandSolder]  60.3 67.19 0 top
L3#28  LED  [LED_1210_3225Metric_Pad1.42x2.65mm_HandSolder]  78.4 171.59 0 top
L3#29  LED  [LED_1210_3225Metric_Pad1.42x2.65mm_HandSolder]  6 14.99 0 top
L3#30  LED  [LED_1210_3225Metric_Pad1.42x2.65mm_HandSolder]  96.5 119.39 0 top
L3#31  LED  [LED_1210_3225Metric_Pad1.42x2.65mm_HandSolder]  6 145.49 0 top
L3#32  LED  [LED_1210_3225Metric_Pad1.42x2.65mm_HandSolder]  24.1 119.39 0 top
L3#33  LED  [LED_1210_3225Metric_Pad1.42x2.65mm_HandSolder]  6 119.39 0 top
L3#34  LED  [LED_1210_3225Metric_Pad1.42x2.65mm_HandSolder]  24.1 14.99 0 top
L3#35  LED  [LED_1210_3225Metric_Pad1.42x2.65mm_HandSolder]  24.1 145.49 0 top
L3#36  LED  [LED_1210_3225Metric_Pad1.42x2.65mm_HandSolder]  24.1 171.59 0 top
L3#37  LED  [LED_1210_3225Metric_Pad1.42x2.65mm_HandSolder]  60.3 119.39 0 top
L3#38  LED  [LED_1210_3225Metric_Pad1.42x2.65mm_HandSolder]  96.5 67.19 0 top
L3#39  LED  [LED_1210_3225Metric_Pad1.42x2.65mm_HandSolder]  96.5 93.29 0 top
L3#40  LED  [LED_1210_3225Metric_Pad1.42x2.65mm_HandSolder]  78.4 67.19 0 top
L3#41  LED  [LED_1210_3225Metric_Pad1.42x2.65mm_HandSolder]  96.5 145.49 0 top
L3#42  LED  [LED_1210_3225Metric_Pad1.42x2.65mm_HandSolder]  6 67.19 0 top
L3#43  LED  [LED_1210_3225Metric_Pad1.42x2.65mm_HandSolder]  60.3 145.49 0 top
L3#44  LED  [LED_1210_3225Metric_Pad1.42x2.65mm_HandSolder]  6 171.59 0 top
L3#45  LED  [LED_1210_3225Metric_Pad1.42x2.65mm_HandSolder]  42.2 145.49 0 top
L3#46  LED  [LED_1210_3225Metric_Pad1.42x2.65mm_HandSolder]  78.4 145.49 0 top
L3#47  LED  [LED_1210_3225Metric_Pad1.42x2.65mm_HandSolder]  24.1 93.29 0 top
L3#48  LED  [LED_1210_3225Metric_Pad1.42x2.65mm_HandSolder]  6 197.69 0 top
L4  LED  [LED_1210_3225Metric_Pad1.42x2.65mm_HandSolder]  96.5 140.99 0 top
L4#2  LED  [LED_1210_3225Metric_Pad1.42x2.65mm_HandSolder]  42.2 114.89 0 top
L4#3  LED  [LED_1210_3225Metric_Pad1.42x2.65mm_HandSolder]  78.4 114.89 0 top
L4#4  LED  [LED_1210_3225Metric_Pad1.42x2.65mm_HandSolder]  60.3 167.09 0 top
L4#5  LED  [LED_1210_3225Metric_Pad1.42x2.65mm_HandSolder]  24.1 10.49 0 top
L4#6  LED  [LED_1210_3225Metric_Pad1.42x2.65mm_HandSolder]  24.1 140.99 0 top
L4#7  LED  [LED_1210_3225Metric_Pad1.42x2.65mm_HandSolder]  24.1 62.69 0 top
L4#8  LED  [LED_1210_3225Metric_Pad1.42x2.65mm_HandSolder]  6 167.09 0 top
L4#9  LED  [LED_1210_3225Metric_Pad1.42x2.65mm_HandSolder]  42.2 62.69 0 top
L4#10  LED  [LED_1210_3225Metric_Pad1.42x2.65mm_HandSolder]  96.5 36.59 0 top
L4#11  LED  [LED_1210_3225Metric_Pad1.42x2.65mm_HandSolder]  60.3 88.79 0 top